# Altium PCB PCB1.PcbDoc
Units mil, origin at the board's own origin, x right, y up, seen from the top; angles counter-clockwise.
Board outline 2369.2 x 1579.93 mil, 2 copper layers (Top Layer, Bottom Layer); 51 components, 52 nets, 196 pads, 68 vias.
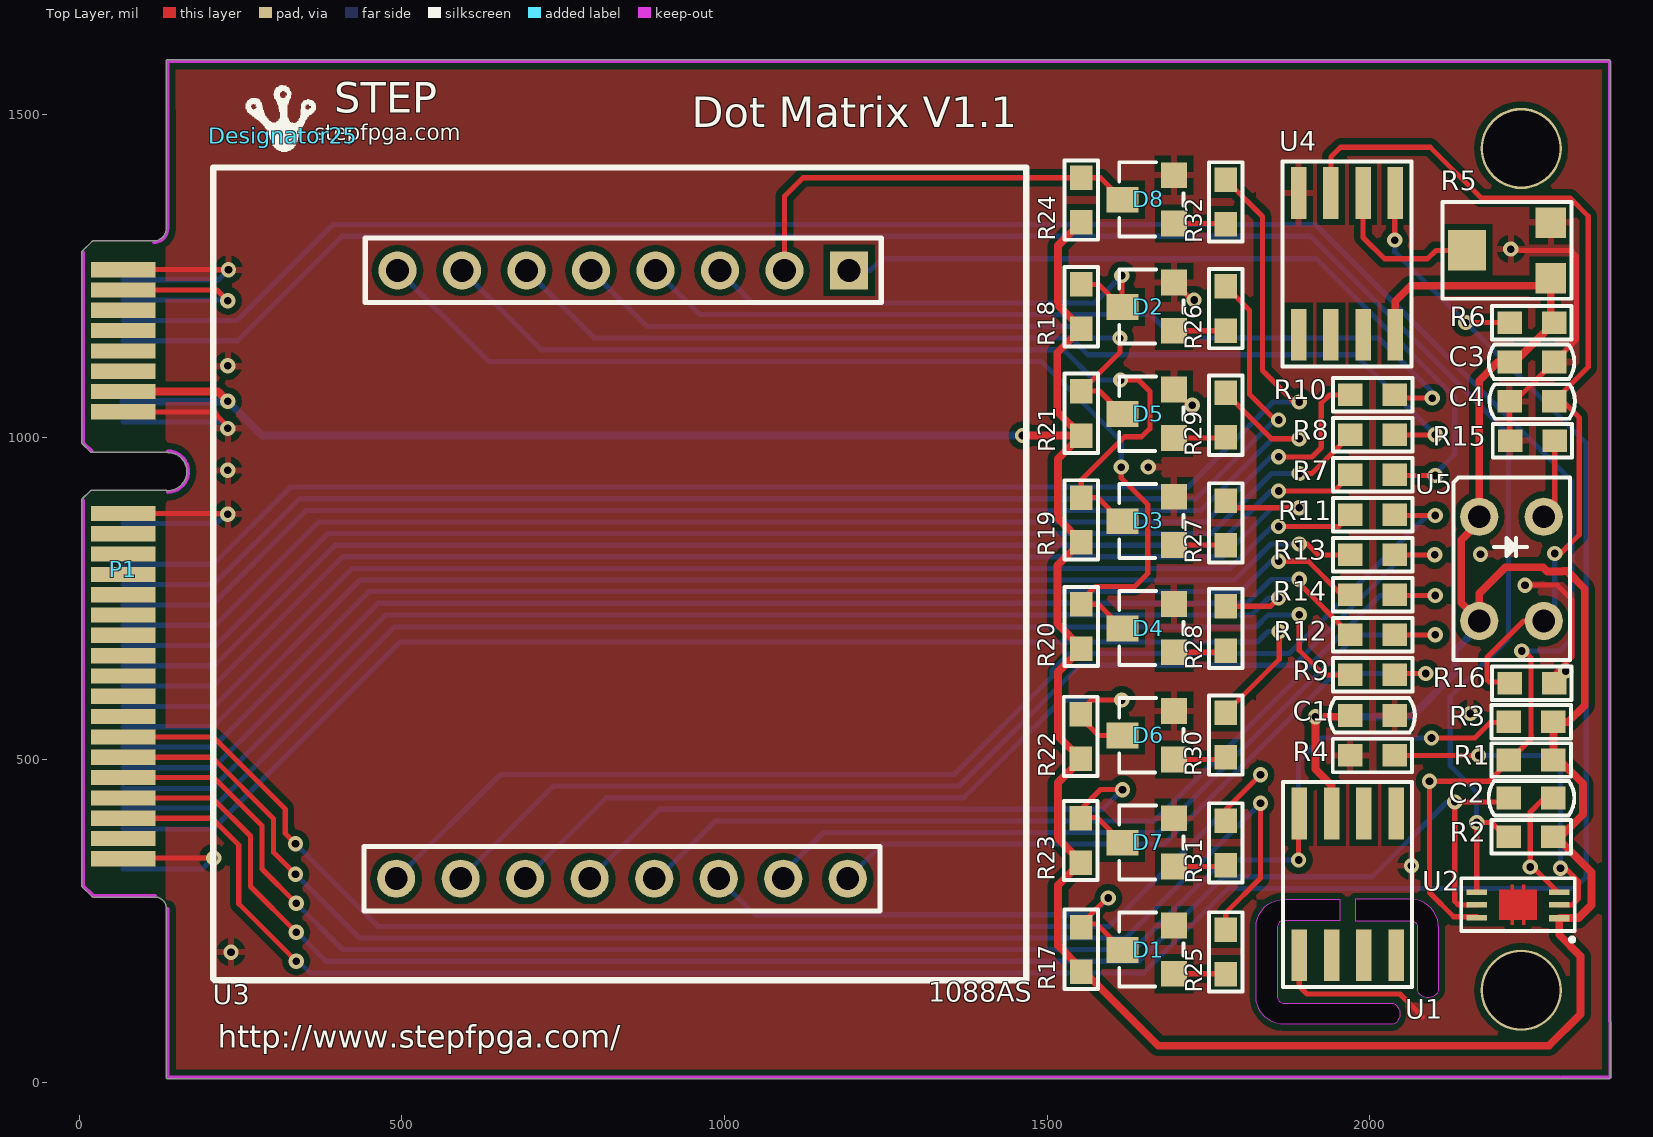
[diagram p0: Top Layer view]
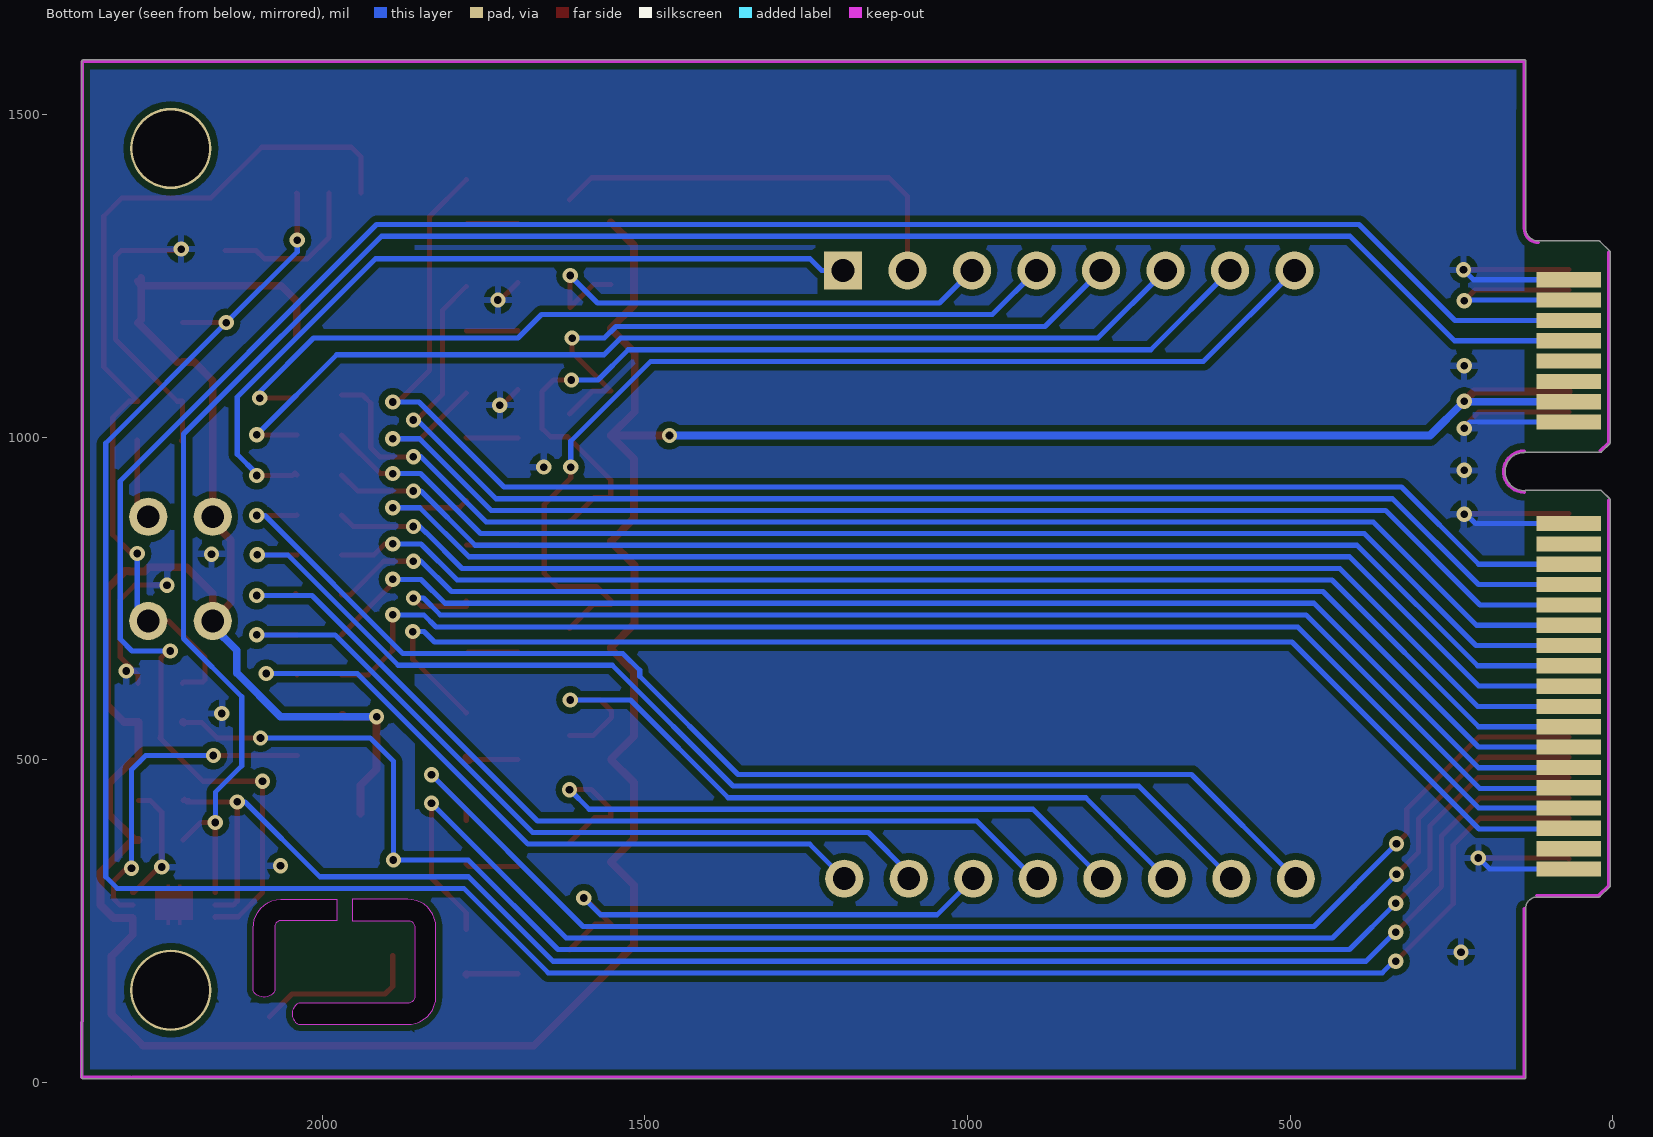
[diagram p1: Bottom Layer view, seen from below]

## Layer stack, top to bottom
Top Solder: solder mask 0.4, Solder Resist, Dk 3.5
Top Layer: signal copper 1.4
Dielectric 1: dielectric 12.6, FR-4, Dk 4.8
Bottom Layer: signal copper 1.4
Bottom Solder: solder mask 0.4, Solder Resist, Dk 3.5

## Board outline
3.66,305.06 3.66,903.06 cw(c6.18,903.06) 4.4,904.84 17.34,917.78 cw(c19.12,916) 19.12,918.51 132.99,918.51 cw(c132.99,916) 135.3,916.99 cw(c137,915.13) 137.01,917.65 ccw(c137.07,947.13) 166.56,947.13 ccw(c137.07,947.13) 137.01,976.62 cw(c137,979.13) 134.88,977.78 cw(c132.83,979.24) 132.83,976.73 19,976.73 cw(c19,979.24) 17.22,977.46 4.4,990.28 cw(c6.18,992.06) 3.66,992.06 3.66,1287.12 cw(c6.18,1287.12) 4.4,1288.89 19.37,1303.86 cw(c21.15,1302.08) 21.15,1304.6 114.93,1304.6 cw(c114.93,1302.08) 114.95,1304.6 ccw(c115.08,1323.85) 134.31,1322.93 cw(c136.78,1323.42) 134.33,1323.99 134.33,1582.9 cw(c136.84,1582.9) 136.84,1585.41 2370.34,1585.41 cw(c2370.34,1582.9) 2372.86,1582.9 2372.86,8 cw(c2370.34,8) 2370.34,5.49 137.09,5.49 cw(c137.09,8) 135.31,6.22 135.22,6.31 cw(c137,8.09) 134.49,8.09 134.49,269.68 cw(c137,269.68) 134.49,269.73 ccw(c117.01,270.07) 134.49,270.07 ccw(c117.01,270.07) 117.37,287.55 ccw(c117.01,270.07) 117.37,287.55 ccw(c117.01,270.07) 117.34,287.55 117.39,287.55 21.18,287.55 cw(c21.18,290.06) 19.4,288.28 cw(c21.18,290.06) 19.4,288.28 4.4,303.28 cw(c6.18,305.06)
cut-out: 1978,251 2065,251 cw(c2063.5,240.5) 2074,239 2074,142 ccw(c2090.5,150.6) 2107,142 2107,239 ccw(c2063.5,240.5) 2065,284 1978,284
cut-out: 1857,133 ccw(c1867,133) 1867,123 2037,123 cw(c2028.4,106.5) 2037,90 1869,90 cw(c1868,134) 1824,133 1824,241 cw(c1867.5,240.5) 1868,284 1954,284 1954,251 1867,251 ccw(c1867,241) 1857,241

## Design rules (kind name [scope] priority, off if disabled: settings)
Clearance [All] p1: gap=7.87
ComponentClearance [All] p1: gap=5 collisioncheckmode=3 verticalgap=5 showdistances=FALSE
DiffPairsRouting [All] p1: maxlimit=10 minlimit=10 mostfreqgap=10 toplayer_minwidth=8 toplayer_maxwidth=20 toplayer_prefwidth=8 bottomlayer_minwidth=8 bottomlayer_maxwidth=20 bottomlayer_prefwidth=8 maxuncoupledlength=500
HoleSize [All] p1: absolutevalues=TRUE maxlimit=500 minlimit=1 maxpercent=80.000 minpercent=20.000
MinimumSolderMaskSliver [All] p1: minsoldermaskwidth=1
PolygonConnect [All] p1: connectstyle=Relief reliefconductorwidth=10 reliefentries=4 polygonreliefangle="90 Angle" airgapwidth=10
RoutingVias [All] p1: holewidth=11.81 width=23.62 viastyle="Through Hole" minholewidth=11.81 minwidth=23.62 maxholewidth=137.8 maxwidth=196.85
SilkToSilkClearance [All] p1: silktosilkclearance=1
SilkToSolderMaskClearance [IsPad] p1: minsilkscreentomaskgap=1 clearancetoexposedcopper=TRUE
SolderMaskExpansion [All] p1: expansion=4
Width [All] p1: maxlimit=20 minlimit=8 preferedwidth=8
24 further rules are at their usual default settings.

## Components (designator, comment, footprint, x,y, rotation, side; value= is the part's Value field where it differs from the comment)
C1 "100nF" CAP0603 2039,569 r180 top
C2 "100nF" CAP0603 2216,441 r0 top
C3 "100nF" CAP0603 2286,1117 r180 top
C4 "100nF" CAP0603 2217,1056 r0 top
D1 "s9013" "SOT-23 S9013" 1697.63,163.66 r90 top
D2 "s9013" "SOT-23 S9013" 1697.63,1160.52 r90 top
D3 "s9013" "SOT-23 S9013" 1697.63,828.23 r90 top
D4 "s9013" "SOT-23 S9013" 1697.63,662.09 r90 top
D5 "s9013" "SOT-23 S9013" 1697.63,994.37 r90 top
D6 "s9013" "SOT-23 S9013" 1697.63,495.94 r90 top
D7 "s9013" "SOT-23 S9013" 1697.63,329.8 r90 top
D8 "s9013" "SOT-23 S9013" 1697.63,1326.66 r90 top
Designator25 "Comment" "STEP Middle" 316,1468 r0 top
P1 "STEP_MiniPCIE" STEP_MINIPCI-E 163,945.13 r0 top
R1 "4.7K" RES0603 2216,500 r0 top
R2 "4.7K" RES0603 2216,381 r0 top
R3 "4.7K" RES0603 2216,559 r0 top
R4 "4.7K" RES0603 1970,507 r0 top
R5 "10K" POT3MM 2151,1290 r90 top
R6 "4.7K" RES0603 2217,1178 r0 top
R7 "200R" RES0603 2039.33,941.97 r180 top
R8 "200R" RES0603 2039.33,1003.97 r180 top
R9 "200R" RES0603 2039.33,631.97 r180 top
R10 "200R" RES0603 2039.33,1065.97 r180 top
R11 "200R" RES0603 2039.33,879.97 r180 top
R12 "200R" RES0603 2039.33,693.97 r180 top
R13 "200R" RES0603 2039.33,817.97 r180 top
R14 "200R" RES0603 2039.33,755.97 r180 top
R15 "150R" RES0603 2218,995 r0 top
R16 "47K" RES0603 2286,619 r180 top
R17 "200R" RES0603 1553,241 r270 top
R18 "200R" RES0603 1553,1237.26 r270 top
R19 "200R" RES0603 1553,906.68 r270 top
R20 "200R" RES0603 1553,741.4 r270 top
R21 "200R" RES0603 1553,1071.97 r270 top
R22 "200R" RES0603 1552,571 r270 top
R23 "200R" RES0603 1552,409.68 r270 top
R24 "200R" RES0603 1553,1402.54 r270 top
R25 "1K" RES0603 1777,237 r270 top
R26 "1K" RES0603 1777,1234.26 r270 top
R27 "1K" RES0603 1777,902 r270 top
R28 "1K" RES0603 1777,738.4 r270 top
R29 "1K" RES0603 1777,1068.97 r270 top
R30 "1K" RES0603 1777,573.11 r270 top
R31 "1K" RES0603 1777,406 r270 top
R32 "1K" RES0603 1777,1399.54 r270 top
U1 "DS18B20Z" SOP8 1879,316 r270 top
U2 "BH1750FVI" WSOF6I 2292.11,254.65 r90 top
U3 "8*8Dot Matrix" "8*8DOT MATRIX" 491,316 r0 top
U4 "LM393D" SOP8 1878,1278 r270 top
U5 "ITR9909" ITR9909 2219,796 r0 top

## Footprints (in the part's own frame and the unit in brackets; to place one, negate y for a bottom-side part, rotate by r counter-clockwise, add the part's x,y. Pads: shape width x height; smd on the part's side, far side on the other; paste and mask are expansions set on the pad)
"8*8DOT MATRIX" [mm] "32mm*32mm 点阵  1088AS"
  round 1.5 hole 0.9: 1(0,0) 2(2.54,0) 3(5.08,0) 4(7.62,0) 5(10.16,0) 6(12.7,0) 7(15.24,0) 8(17.78,0) 10(15.291,23.952) 11(12.751,23.952) 12(10.211,23.952) 13(7.671,23.952) 14(5.131,23.952) 15(2.591,23.952) 16(0.051,23.952)
  rect 1.5x1.5 hole 0.9: 9(17.831,23.952)
  silkscreen extent -7.19,-4 24.81,28, body extent -1.27,-1.27 19.1,25.22, height 8.54
CAP0603 [mil]
  rect 38x35 smd: 1(0,0) 2(69,0)
  silkscreen extent -31,-27 101,27, body extent 4,-16 67,16, height 12
ITR9909 [mm]
  round 1.5 hole 0.9: 1(1.295,2.057) 2(-1.245,2.057) 3(1.295,-2.043) 4(-1.245,-2.043)
  round 0.381 on Top Overlay: 1(2.159,4.039)
  silkscreen extent -2.26,-3.59 2.34,3.6
POT3MM [mm] "Square Trimming Potentiometer"
  rect 1.2x1.2 smd: CCW(1.092,-3.302) CW(-1.092,-3.302)
  rect 1.6x1.5 smd: W(0,-0.007)
  silkscreen extent -1.91,-4.11 1.91,0.97
RES0603 [mil] "1/10W"
  rect 38x35 smd: 1(0,0) 2(69,0)
  silkscreen extent -27,-26 96,26, body extent 4,-16 66,16, height 18
SOP8 [mil]
  round 15 on Top Overlay: 0(-163,182)
  rect 80x24 smd: 1(-101,162) 2(-101,112) 3(-101,62) 4(-101,12) 5(119,12) 6(119,62) 7(119,112) 8(119,162)
  silkscreen extent -150,-13 168,187, body extent -109,-11 129,187, height 63
"SOT-23 S9013" [mil]
  rect 40x40 smd: 1B(4.88,0.63) 2E(79.88,0.63)
  rect 40x50 smd: 3C(41.88,80.63)
  silkscreen extent -15,-14 100,86, body extent -15,-11 99,99, height 47
"STEP Middle" [mil]
  silkscreen extent -58,-24 50,78
STEP_MINIPCI-E [mm]
  rect 2.55x0.6 smd: A0(-2.413,8.001) A1(-2.413,7.201) A2(-2.413,6.401) A3(-2.413,5.601) A4(-2.413,4.801) A5(-2.413,4.001) A6(-2.413,3.201) A7(-2.413,2.401) A8(-2.413,-1.599) A9(-2.413,-2.399) A10(-2.413,-3.199) A11(-2.413,-3.999) A12(-2.413,-4.799) A13(-2.413,-5.599) A14(-2.413,-6.399) A15(-2.413,-7.199) A16(-2.413,-7.999) A17(-2.413,-8.799) A18(-2.413,-9.599) A19(-2.413,-10.399) A20(-2.413,-11.199) A21(-2.413,-11.999) A22(-2.413,-12.799) A23(-2.413,-13.599) A24(-2.413,-14.399) A25(-2.413,-15.199)
  rect 2.55x0.6 smd far side: B0(-2.413,7.601) B1(-2.413,6.801) B2(-2.413,6.001) B3(-2.413,5.201) B4(-2.413,4.401) B5(-2.413,3.601) B6(-2.413,2.801) B7(-2.413,2.001) B8(-2.413,-1.999) B9(-2.413,-2.799) B10(-2.413,-3.599) B11(-2.413,-4.399) B12(-2.413,-5.199) B13(-2.413,-5.999) B14(-2.413,-6.799) B15(-2.413,-7.599) B16(-2.413,-8.399) B17(-2.413,-9.199) B18(-2.413,-9.999) B19(-2.413,-10.799) B20(-2.413,-11.599) B21(-2.413,-12.399) B22(-2.413,-13.199) B23(-2.413,-13.999) B24(-2.413,-14.799) B25(-2.413,-15.599)
  Keep-Out Layer lines w0.127: -0.66,-0.762 ccw(c-0.659,0.051) -0.66,0.864
WSOF6I [mm] "BH1750FVI"
  rect 0.27x0.8 smd: 1(0,-0.048)
  rect 0.22x0.8 smd: 2(0.525,-0.048) 3(1.025,-0.048) 4(1.025,3.202) 5(0.525,3.202) 6(0.025,3.202)
  Top Layer region: -0.075,0.827 1.125,0.827 1.125,2.327 -0.075,2.327
  Top Layer region: -0.275,1.727 -0.075,1.727 -0.075,1.877 -0.275,1.877
  Top Layer region: -0.275,1.277 -0.075,1.277 -0.075,1.427 -0.275,1.427
  Top Layer region: 1.125,1.277 1.325,1.277 1.325,1.427 1.125,1.427
  Top Layer region: 1.125,1.727 1.325,1.727 1.325,1.877 1.125,1.877
  silkscreen extent -0.95,-0.67 1.57,3.81

## Part data
C1 C2 C3 C4: library part Cap, "Capacitor"
D1 D2 D3 D4 D5 D6 D7 D8: "NPN三极管"
P1: "8mm MiniPCIE interface"
R1 R2 R3 R4 R6 R7 R8 R9 R10 R11 R12 R13 R14 R15 R16 R17 R18 R19 R20 R21 R22 R23 R24 R25 R26 R27 R28 R29 R30 R31 R32: library part Res
R5: library part "Square Trimming Potentiometer", "可调电阻3mm*3mm"
U1: "温度传感器DS18B20,单总线，SOP8封装"
U2: "I2C接口环境光传感器"
U3: "8*8LED点阵，尺寸为32mm*32mm , 共阴"
U4: "双路电压比较器"
U5: "红外对管，4pins"

## Free pads (board coordinates)
  round 125.98 hole 118.11: 0(2235,143) 0(2235,1448)

## Via types
v1: diameter 23.62, hole 11.81, Top Layer to Bottom Layer, tented both sides, 68 vias

## Nets (pads, with @x,y where several pads share a name; then routed paths per layer and width w, separated by ;. In a path a pad name is that pad's centre, name@x,y a point inside that pad or via, vN(x,y) a via of type N, cw(c..) or ccw(c..) an arc to the next point about the centre after c; other vN are vias at no path point)
3.3V: C1.2 C3.2 P1.A6 P1.B6 R1.2 R2.2 R3.2 R5.CW R6.2 R17.2 R18.2 R19.2 R20.2 R21.2 R22.2 R23.2 R24.2 U1.3 U2.1 U4.8 U5.2 U5.4 | length 6416.9
  Top Layer w12: P1.A6 214.84,1071.16 v1(230,1056) ; v1(1462,1003) R21.2 1516,1039.97 1516,1131.26 R18.2 1553,1169.17 1517,1205.17 1517,1297.54 R24.2 ; R20.2 1517,636.4 1517,537 R22.2 1552,500 1517,465 1517,377.83 1553,341.83 1517,305.83 1517,212.54 1553,176.54 1672.54,57 2278,57 2327,106 2327,196 2294,229 U2.1 2294.34,254.99 2323.89,254.99 2344,275.1 2344,326 2294,376 R2.2@2291,376 ; R20.2@1553,674.23 1516.19,711.04 1516.19,801.79 1553,838.6 1517,874.6 1517,966.97 R21.2 ; U1.3 1941,461 1916,486 v1(1916,567) 1966,567 C1.2@1969,570 ; U4.8 2040,1211 2064,1235 R5.CW@2281,1235 ; C3.2 2199,1117 2170,1088 U5.2 2170,869 2142,841 2142,743.58 U5.4 2170,758 2210.81,798.81 2268.86,798.81 2275.48,792.19 2298.52,792.19 2299.33,793 2306,793 2333.53,765.47 2333.53,584.53 2308,559 R3.2 2285,498 2296,498 2331,463 2331,416 R2.2@2291,376 ; C3.2@2225,1117 R6.2 2281,1183 R5.CW@2281,1235 ; R5.CW R5.CW@2281,1235 ; R2.2@2285,376 R2.2@2291,376 ; R5.CW@2286,1242 R5.CW@2281,1235
  Bottom Layer w12: P1.B6 229.41,1055.41 v1(230,1056) 283,1003 v1(1462,1003) ; v1(1916,567) 2065,567 2133,635 2133,670 2170,707 U5.4
BH_DVI: C2.1 P1.A22 U2.5 | length 2603.2
  Top Layer w8: P1.A22 205.75,441.25 265,382 265,304 v1(336,233) ; U2.5 2137.68,275.32 2132,281 v1(2132,435) 2210,435 2214,439 2216,437 C2.1@2207,437
  Bottom Layer w8: v1@336,234 382,188 1642.46,188 1773.46,319 2004,319 2120,435 v1(2132,435)
C1: D5.3C R21.1 U3.13 | length 1049.2
  Top Layer w8: v1(1613,1154) 1613,1131.97 R21.1 1581.28,1071.97 D5.3C
  Bottom Layer w8: U3.13 880,1172 1545,1172 1563,1154 v1(1613,1154)
C2: D6.3C R22.1 U3.3 | length 1197.4
  Top Layer w8: v1(1616,593) 1569,593 1552,576 R22.1 1552,566 1580.17,537.83 D6.3C
  Bottom Layer w8: U3.3 816.5,441.5 1370.78,441.5 1522.28,593 v1(1616,593)
C3: D7.3C R23.1 U3.4 | length 1053
  Top Layer w8: D7.3C 1577.86,410.83 1553,410.83 1553,424 1583,454 v1(1617,454)
  Bottom Layer w8: U3.4 898.5,423.5 1586.5,423.5 v1(1617,454)
C4: D8.3C R24.1 U3.10 | length 670.6
  Top Layer w8: U3.10@1097,1263 U3.10 1093,1374 1121.54,1402.54 R24.1 1583,1402.54 D8.3C
C5: D1.3C R17.1 U3.6 | length 777.3
  Top Layer w8: v1(1595,286) 1593.46,286 1553,245.54 1577,245.54 D1.3C
  Bottom Layer w8: U3.6 1047,260 1569,260 v1(1595,286)
C6: D2.3C R18.1 U3.11 | length 789
  Top Layer w8: R18.1 1580.14,1237.26 1616,1201.4 v1(1616,1251)
  Bottom Layer w8: U3.11 1043.5,1208.5 1573.5,1208.5 v1(1616,1251)
C7: D3.3C R19.1 U3.15 | length 1448.8
  Top Layer w8: v1(1614,1089) 1642,1089 1659.81,1071.19 1659.81,1013 1658.54,1013 1646.54,1001 1620,1001 1553,934 R19.1 1578.68,906.68 1615.26,870.11 D3.3C
  Bottom Layer w8: U3.15 716,1136 1526,1136 1573,1089 v1(1614,1089)
C8: D4.3C R20.1 U3.16 | length 1659.3
  Top Layer w8: v1(1615,954) 1615,936.91 1656,895.91 1656,789 1636,769 1575,769 1553,747 R20.1 1579.57,741.4 D4.3C
  Bottom Layer w8: U3.16 634,1118 1491,1118 1615,994 v1(1615,954)
COL1: P1.B12 R29.1 | length 2073.1
  Top Layer w8: R29.1 1847.97,998 v1(1891,998)
  Bottom Layer w8: P1.B12 205.45,740.45 352,887 1738.54,887 1849.54,998 v1(1891,998)
COL2: P1.B23 R30.1 | length 2079.4
  Top Layer w8: R30.1 1860,656.11 v1(1860,699)
  Bottom Layer w8: P1.B23 68.99,393 207,393 496.81,682.81 1826.18,682.81 1842.37,699 v1(1860,699)
COL3: P1.A19 R31.1 | length 2097.6
  Top Layer w8: P1.A19 207.26,535.74 319,424 319,386 v1(335,370) ; R31.1 1777,423 v1(1831,477)
  Bottom Layer w8: v1(335,370) 463,242 1596,242 v1(1831,477)
COL4: P1.B10 R32.1 | length 2323.6
  Top Layer w8: R32.1 1834,1342.54 1834,1104 1883,1055 v1(1891,1055)
  Bottom Layer w8: P1.B10 207.44,803.44 327,923 1718.5,923 1850.5,1055 v1(1891,1055)
COL5: P1.A20 R25.1 | length 2214.5
  Top Layer w8: P1.A20 205.76,504.24 301,409 301,357 v1(335,323) ; R25.1 1777,263 1831,317 v1(1831,433)
  Bottom Layer w8: v1(335,323) 434,224 1622,224 v1(1831,433)
COL6: P1.B11 R26.1 | length 2147.9
  Top Layer w8: R26.1 1814,1197.26 1814,1067 1859,1022 v1(1859,1027)
  Bottom Layer w8: P1.B11 208,771.94 341.06,905 1731.09,905 1853.09,1027 v1(1859,1027)
COL7: P1.B16 R27.1 | length 2056.1
  Top Layer w8: R27.1 1788,891 v1(1891,891)
  Bottom Layer w8: P1.B16 207.46,614.46 408,815 1773,815 1849,891 v1(1891,891)
COL8: P1.B21 R28.1 | length 2008.4
  Top Layer w8: R28.1@1777,746 R28.1 1846.4,738.4 v1(1859,751)
  Bottom Layer w8: P1.B21 68.98,456 206,456 475,725 1817.46,725 1843.46,751 v1(1859,751)
GND: C1.1 C2.2 C3.1 C4.1 D1.2E D2.2E D3.2E D4.2E D5.2E D6.2E D7.2E D8.2E P1.A0 P1.A7 P1.A8 P1.A25 P1.B0 P1.B7 P1.B8 P1.B25 R4.1 R5.CCW R15.1 R16.1 U1.5 U2.3 U4.4 | length 2507.2
  Top Layer w8: P1.A25 69.24,348 v1(208,348) ; P1.A8 227.8,882.2 v1@229,881 ; P1.A7 207.34,1039.66 v1@229,1018 ; P1.A0 230.87,1260.13 v1(231,1260) ; D5.2E 1728.25,1043 1729.25,1044 1729,1044.25 1730,1045.25 1725.25,1050 v1(1725,1050) ; D2.2E 1730.4,1207 1731.4,1208 1728,1211.4 v1(1728,1213) ; U1.5 1891,149 1903,137 2047,137 2082,102 ; R15.1 2217,996 C4.1 2225,1056 C3.1 2321,1152 2321,1281 2312,1290 2221,1290 v1(2219,1292) ; v1(2241,771) 2291,771 2313.53,748.47 2313.53,659.53 2286,632 R16.1 ; C2.2@2285,437 2267,437 2251,421 2249,419 v1(2249,334) 2253,334 2292,295 U2.3
  Bottom Layer w8: P1.B25 190.47,331 207.47,348 v1(208,348) ; P1.B8 212.43,866.43 227,881 v1(230,881) ; P1.B7 221.09,1023.91 230,1015 v1(230,1014) ; P1.B0 215.39,1244.39 v1(231,1260)
  other v1: 235,202 2065,336 2156,572 2304,638 2172,819 230,949 1657,954 230,1111
IR_OUTPUT: P1.A23 R6.1 U4.1 | length 3735
  Top Layer w8: P1.A23 205.24,409.76 247,368 247,277 v1(336,188) ; v1(2039,1306) 2039,1378 U4.1 ; v1(2149,1178) R6.1
  Bottom Layer w8: v1@336,191 357,170 1649.91,170 1780.91,301 2318,301 2336,319 2336,991 v1(2149,1178) 2039,1288 v1(2039,1306)
NetC4_2: C4.2 R16.2 U4.3 U5.3 | length 1390.7
  Top Layer w8: U4.3 1940,1435 1955,1450 2094,1450 2172.99,1371.01 2310.99,1371.01 2339,1343 2339,1109 C4.2 2300,1056 2325,1031 2325,849 2296,820 v1(2287,820) ; R16.2 2215.19,620.81 2185.46,620.81 2182,624.28 2182,659 2238.58,715.58 U5.3
  Bottom Layer w8: U5.3 2287,732.58 v1(2287,820)
NetD1_1B: D1.1B R25.2 | length 80.6
  Top Layer w8: D1.1B 1775.54,168.54 R25.2@1776.54,167.54
  Top Layer w12: R25.2@1776.54,167.54 R25.2
NetD2_1B: D2.1B R26.2 | length 79.9
  Top Layer w8: D2.1B R26.2@1776.86,1165.4
NetD3_1B: D3.1B R27.2 | length 79.9
  Top Layer w8: D3.1B R27.2@1776.89,833.11
NetD4_1B: D4.1B R28.2 | length 77.6
  Top Layer w8: D4.1B R28.2@1774.57,666.97
NetD5_1B: D5.1B R29.2 | length 80.3
  Top Layer w8: D5.1B 1776.28,999.25 R29.2
NetD6_1B: D6.1B R30.2 | length 80.8
  Top Layer w8: D6.1B R30.2@1771.71,500.83
  Top Layer w12: R30.2@1772.71,499.83 R30.2
NetD7_1B: D7.1B R31.2 | length 81.7
  Top Layer w8: D7.1B 1772.86,334.68 R31.2@1777,338.83
NetD8_1B: D8.1B R32.2 | length 79
  Top Layer w8: D8.1B R32.2@1776,1331.54
NetR4_2: R4.2 U2.2 | length 514.2
  Top Layer w8: R4.2 v1@2166,507 ; U2.2 2314.19,275.32 2324,285.12 2324,312 2303,333 2302,332 v1(2296,332)
  Bottom Layer w8: v1(2169,507) 2274,507 2296,485 v1(2296,332)
NetR5_W: R5.W U4.2 | length 249.3
  Top Layer w8: U4.2 1990,1310 2023,1277 2090,1277 2103,1290 R5.W
NetR7_1: R7.1 U3.9 | length 1234.8
  Top Layer w8: R7.1 2042.36,945 2046.36,941 v1(2102,941)
  Bottom Layer w8: U3.9 1226,1259 1244,1277 1917.5,1277 2132,1062.5 2132,974 2102,944 v1(2102,941)
NetR8_1: R8.1 U3.14 | length 1577.3
  Top Layer w8: R8.1@2039.36,1004 v1(2102,1004)
  Bottom Layer w8: U3.14 798,1154 1537.54,1154 1563.36,1128.19 1977.81,1128.19 v1(2102,1004)
NetR9_1: R9.1 U3.8 | length 1076.2
  Top Layer w8: R9.1@2039.36,632 2041.36,634 v1(2087,634)
  Bottom Layer w8: U3.8 1244.5,369.5 1681.5,369.5 1946,634 v1(2087,634)
NetR10_1: R10.1 U3.12 | length 1351.6
  Top Layer w8: R10.1 2044.3,1061 v1(2097,1061)
  Bottom Layer w8: U3.12 961.5,1190.5 1660.5,1190.5 1697,1154 2013.94,1154 2097,1070.94 v1(2097,1061)
NetR11_1: R11.1 U3.1 | length 1912.7
  Top Layer w8: R11.1 2040.3,879 v1(2102,879)
  Bottom Layer w8: U3.1 652.5,477.5 1355.87,477.5 1508.19,629.82 1508.19,639.15 1533.85,664.81 1874.99,664.81 2089.18,879 v1(2102,879)
NetR12_1: R12.1 U3.7 | length 1235.5
  Top Layer w8: R12.1@2039.36,694 v1(2102,694)
  Bottom Layer w8: U3.7 1091,325 1153.5,387.5 1674.04,387.5 1980.54,694 v1(2102,694)
NetR13_1: R13.1 U3.2 | length 1779.6
  Top Layer w8: R13.1@2039.36,818 v1(2101,818)
  Bottom Layer w8: U3.2 734.5,459.5 1363.32,459.5 1550.63,646.81 1882.44,646.81 2053.63,818 v1(2101,818)
NetR14_1: R14.1 U3.5 | length 1454.7
  Top Layer w8: R14.1@2041.36,758 2044.36,755 v1(2102,755)
  Bottom Layer w8: U3.5 896,316 985.5,405.5 1666.59,405.5 2016.09,755 v1(2102,755)
NetR15_2: R15.2 U5.1@2270,877 | length 126
  Top Layer w8: U5.1@2270,877 2287,894 R15.2@2287,996
ROW1: P1.B15 R7.2 | length 2024.9
  Top Layer w8: v1(1859,917) 1945.36,917 R7.2
  Bottom Layer w8: P1.B15 208.96,645.96 396,833 1763,833 1847,917 v1(1859,917)
ROW2: P1.B14 R8.2 | length 2037.6
  Top Layer w8: v1(1891,944) 1910.36,944 R8.2
  Bottom Layer w8: P1.B14 211.46,677.46 385,851 1755,851 1848,944 v1(1891,944)
ROW3: P1.B22 R9.2 | length 2097.1
  Top Layer w8: v1(1891,725) 1891,670 1929.03,631.97 R9.2
  Bottom Layer w8: P1.B22 207.49,425.49 488,706 1823.91,706 1842.91,725 v1(1891,725)
ROW4: P1.B13 R10.2 | length 2092.1
  Top Layer w8: v1(1859,970) 1864.36,970 1866.36,972 1868.55,969.81 1910.71,969.81 1925.45,984.55 ; 1925,985 1925,1053 1937.97,1065.97 R10.2
  Bottom Layer w8: P1.B13 211,708.95 371.05,869 1746,869 1847,970 v1(1859,970)
ROW5: P1.B17 R11.2 | length 2025.4
  Top Layer w8: v1(1859,862) 1952.36,862 R11.2
  Bottom Layer w8: P1.B17 208.97,582.97 423,797 1783.54,797 1839.54,853 1840,853 1849,862 v1(1859,862)
ROW6: P1.B20 R12.2 | length 2068.4
  Top Layer w8: v1(1891,780) 1891,780.7 1890.7,781 1887,777.3 R12.2
  Bottom Layer w8: P1.B20 68.48,488 208,488 463,743 1810,743 1847,780 v1(1891,780)
ROW7: P1.B18 R13.2 | length 2026.8
  Top Layer w8: v1(1891,835) 1903.46,835 1920.49,817.97 R13.2
  Bottom Layer w8: P1.B18 207.47,551.47 435,779 1791,779 1847,835 v1(1891,835)
ROW8: P1.B19 R14.2 | length 2043.2
  Top Layer w8: v1(1859,808) 1905,808 1957.03,755.97 R14.2
  Bottom Layer w8: P1.B19 207.98,519.98 449,761 1800,761 1847,808 v1(1859,808)
SCL: P1.B2 R1.1 U2.6 | length 3395.9
  Top Layer w8: U2.6 2166.05,256.99 2130.56,256.99 2093,294.54 v1(2093,467) 2185,467 2252,534 2250,536 2251,537 2250,538 2250,659 2240,669 v1(2236,669)
  Bottom Layer w8: P1.B2 244.39,1181.39 393,1330 1916,1330 2313.53,932.47 2313.53,687.53 2295,669 v1(2236,669)
SDA: P1.B3 R2.1 U2.4 | length 3167.2
  Top Layer w8: U2.4 v1(2166,403) v1(2166,403) 2189,403 R2.1@2216,376
  Bottom Layer w8: P1.B3 244.9,1149.9 407,1312 1908.54,1312 2215.19,1005.36 2215.19,688.19 2125,598 2125,491 2166,450 v1(2166,403)
TEM_DQ: P1.A21 R3.1 U1.4 | length 2604.6
  Top Layer w8: P1.A21 208.25,472.75 283,398 283,331 v1(336,278) ; v1(1890,345) U1.4@1890,416 ; v1(2096,534) 2163,534 2187,558 R3.1@2215,558
  Top Layer w12: R3.1@2215,558 R3.1
  Bottom Layer w8: v1(336,278) 408,206 1635,206 1774,345 v1(1890,345) 1890,498 1926,534 v1(2096,534)
VBUS: P1.A1 P1.B1 | length 331
  Top Layer w8: P1.A1 213.36,1228.64 v1(230,1212)
  Bottom Layer w8: P1.B1 v1@230.11,1212.89
pads on no net: P1.A2 P1.A3 P1.A4 P1.A5 P1.A9 P1.A10 P1.A11 P1.A12 P1.A13 P1.A14 P1.A15 P1.A16 P1.A17 P1.A18 P1.A24 P1.B4 P1.B5 P1.B9 P1.B24 U1.0 U1.1 U1.2 U1.6 U1.7 U1.8 U4.0 U4.5 U4.6 U4.7 U5.1@2304,955

## Polygon pours and split planes (outlines as drawn)
GND on Top Layer "Top Layer-GND" (solid, remove dead copper, pour order 2): 1824,8 1824,1586 134,1586 134,5
GND on Top Layer "Top Layer-GND" (solid, remove dead copper, pour order 4): 2376,284 1826.03,284 1824,281.97 1824,1589 2370,1589 2373,1586
GND on Top Layer "Top Layer-GND" (solid, pour order 10): 1811,122 1813,124 2376,124 2376,11 2373,8 1811,8
GND on Top Layer "Top Layer-GND" (solid, pour order 12): 2075,541 2075,9.09 2074,8.09 2074.09,8 2373,8 2373,539 2372,540
GND on Bottom Layer "Bottom Layer-GND" (solid, pour order 18): 136.84,1582.9 137,1582.74 137,8.09 1859.91,8.09 1860,8 1857,11 1857,1582.9
GND on Bottom Layer "Bottom Layer-GND" (solid, pour order 20): 1857,6 1857,124 2373,124 2373,8
GND on Bottom Layer "Bottom Layer-GND" (solid, pour order 22): 2072,124 2072,285 2374,285 2375,284 2375,124
GND on Bottom Layer "Bottom Layer-GND" (solid, pour order 24): 2375,285 1860,285 1857,288 1857,1582.9 2372.24,1582.9 2372.34,1583

## Keep-outs
Keep-Out Layer:
  lines w5: 6.18,903.06 6.18,305.06 21.18,290.06 117.39,290.06 ; 6.18,1287.12 6.18,992.06 19,979.24 ; 114.93,1302.08 ccw(c115.12,1323.92) 136.96,1323.73 136.96,1507.96 ; 136.84,1507.61 136.84,1582.9 211.9,1582.9 2294.87,1582.9 ; 137,269.68 137,83.24 137,8.09 212.39,8.09 2294.85,8.09 ; 2294,1583 2372.34,1583 2372.34,1507.52 2372.34,94.66 ; 2297.42,8 2373,8 2373,94

## Silkscreen, mask and mechanical layers (free items; w line width, h text height)
Top Overlay:
  text "STEP" at 395,1488 h80
  text "Dot Matrix V1.1" at 949,1465 h80
  text "stepfpga.com" at 364,1452 h42
  text "http://www.stepfpga.com/" at 214,42 h60
Mechanical 1:
  lines w5: 132.83,979.24 19,979.24 6.18,992.06 6.18,1287.12 21.15,1302.08 114.93,1302.08 ccw(c115.08,1323.85) 136.84,1323.48 ; 132.99,916 19.12,916 6.18,903.06 6.18,305.06 21.18,290.06 117.39,290.06 cw(c117.01,270.07) 137,269.68 137,8.09 137.09,8 2370.34,8 2370.34,1582.9 136.84,1582.9 136.84,1323.48 ; 136.78,1323.42 136.84,1323.48 ; 137,915.13 ccw(c137.07,947.13) 137,979.13 ; 2370.34,83.39 2370.34,1507.42 ; 1824,131 ccw(c1868,132) 1869,88 2037,88 ccw(c2028.4,104.5) 2037,121 1867,121 cw(c1867,131) 1857,131 1857,142 1857,239 cw(c1867,239) 1867,249 1870,249 1954,249 1954,282 1875,282 1868,282 ccw(c1867.5,238.5) 1824,239 1824,131 ; 1978,249 1978,282 2065,282 cw(c2063.5,238.5) 2107,237 2107,140 cw(c2090.5,148.6) 2074,140 2074,190 2074,210 2074,237 ccw(c2063.5,238.5) 2065,249 2060,249 1978,249

## Text inside footprints (layer, text, board x,y; h text height)
U3: Top Overlay "1088AS" at 1316,115 h52